# Altium PCB FMC_LOOPBACK_REVA.PcbDoc
Units mm, origin at the board's own origin, x right, y up, seen from the top; angles counter-clockwise.
Board outline 32.8 x 69 mm, 2 copper layers (Component Side, Bottom Layer), stack 1.571 mm thick; 33 components, 143 nets, 456 pads, 68 vias.
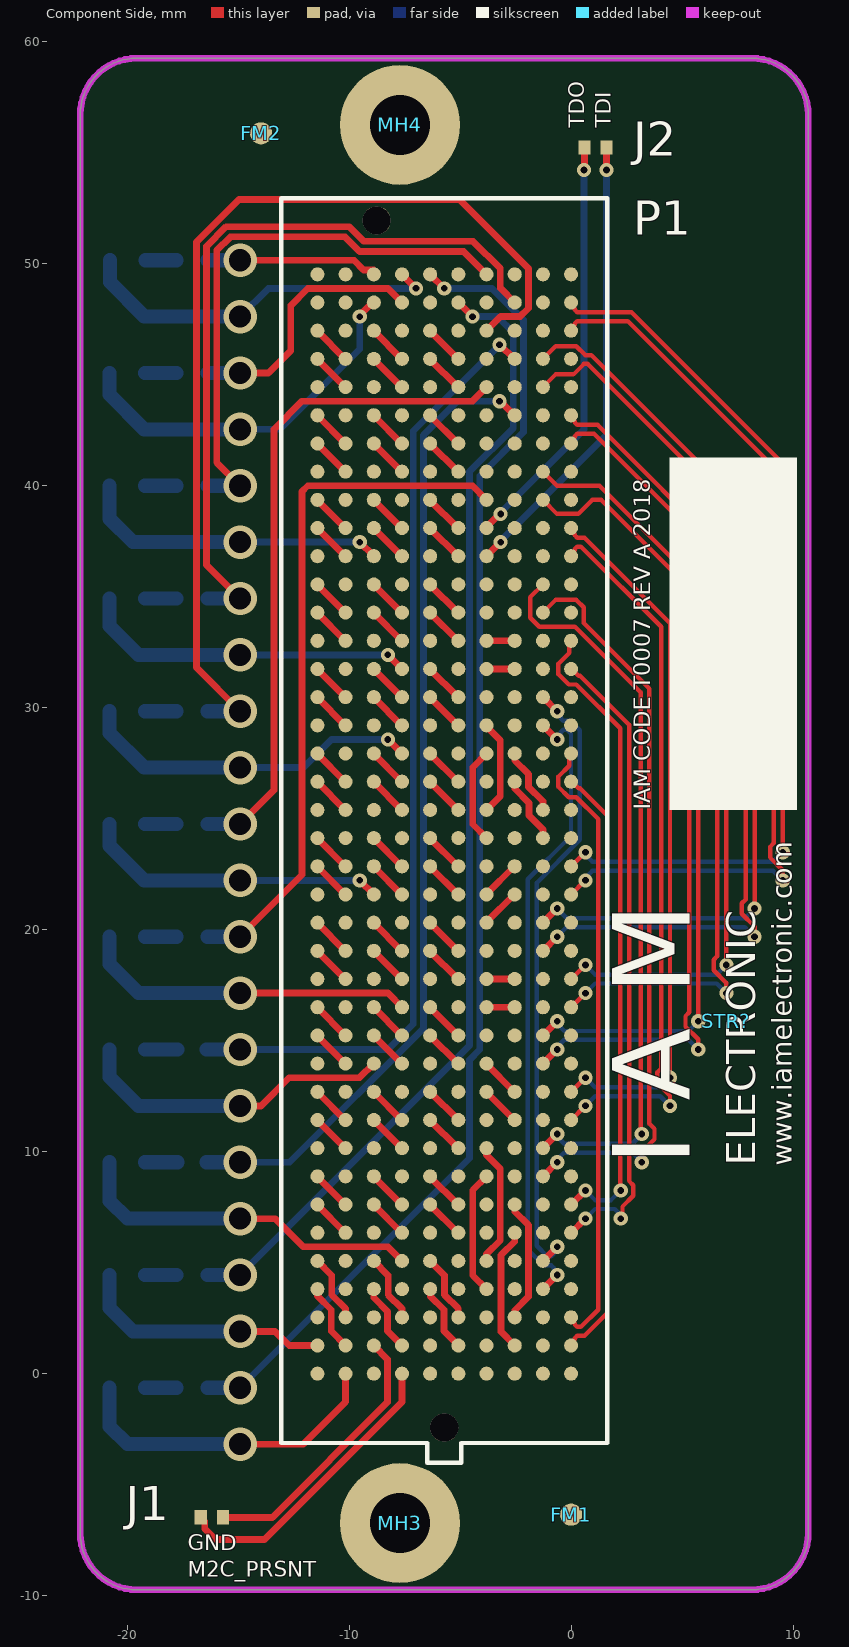
[diagram p0: Component Side view]
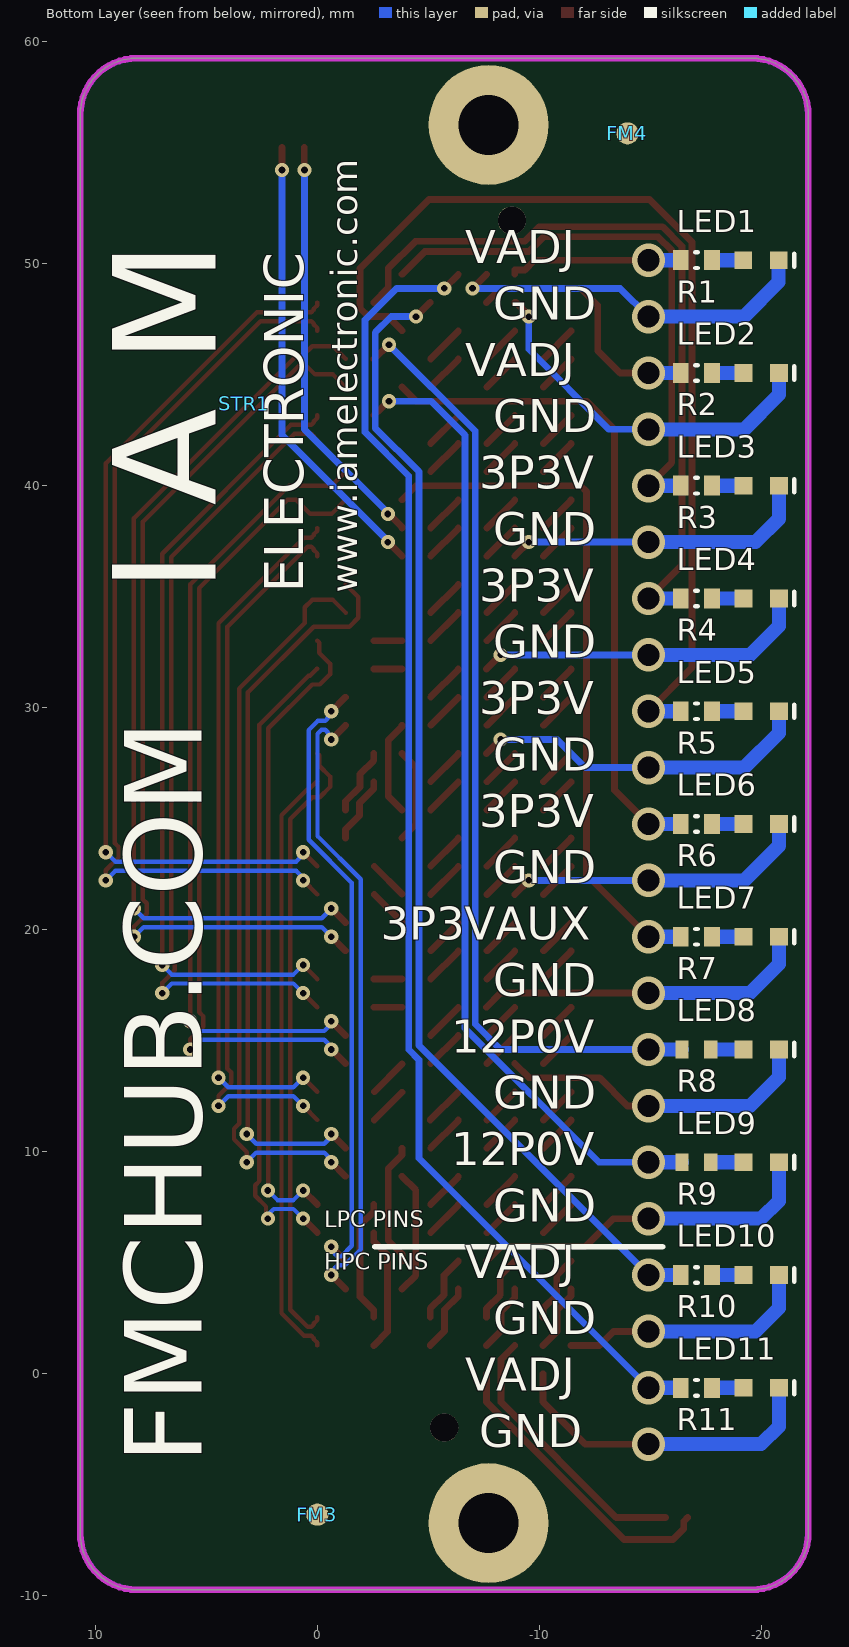
[diagram p1: Bottom Layer view, seen from below]
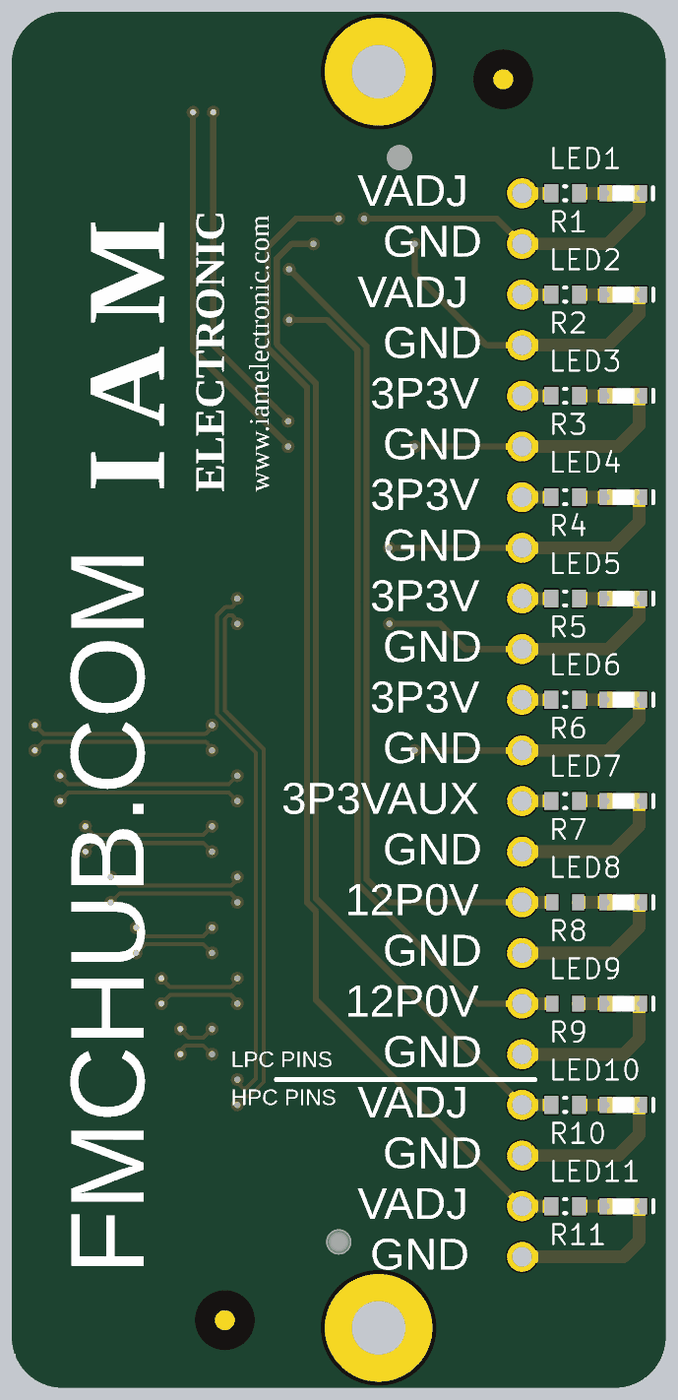
[diagram p2: 3D render of the assembled board from below, using the file's embedded part models]

## Layer stack, top to bottom
Top Solder: solder mask 0.0102, Solder Resist, Dk 3.5
Component Side: signal copper 0.0356
Dielectric 1: core 1.5, FR-4, Dk 4.2
Bottom Layer: signal copper 0.0356
Solder Side: solder mask 0.0102, Solder Resist, Dk 3.5

## Board outline
-22.115,-7.195 ccw(c-19.575,-7.195) -19.575,-9.735 8.145,-9.735 ccw(c8.145,-7.195) 10.685,-7.195 10.685,56.725 ccw(c8.145,56.725) 8.145,59.265 -19.575,59.265 ccw(c-19.575,56.725) -22.115,56.725

## Design rules (kind name [scope] priority, off if disabled: settings)
AcuteAngle [All] p1: minimum=6.00000000000000E+0001 checktracksonly=FALSE
Clearance Clearance_Keepout [All vs OnLayer('Keep-Out Layer')] p1: gap=0.15 ignorepadtopadclearanceinfootprint=FALSE
Clearance [All] p2: gap=0.152 ignorepadtopadclearanceinfootprint=FALSE
DiffPairsRouting [All] p1: maxlimit=10 minlimit=0.2 mostfreqgap=0.2 toplayer_minwidth=0.2 toplayer_maxwidth=10 toplayer_prefwidth=0.381 bottomlayer_minwidth=0.2 bottomlayer_maxwidth=10 bottomlayer_prefwidth=0.381 maxuncoupledlength=12.7
FabricationTestPointUsage FabricationTestPointUsage_1 [All] p1: valid=0 allowmultiple=FALSE
FabricationTestpoint FabricationTestpoint_1 [All] p1: side=3 testpointundercomponent=TRUE minsize=1.016 maxsize=2.54 preferedsize=1.524 minholesize=0 maxholesize=1.016 preferedholesize=0.813 testpointgrid=0.025 allowsidetop=TRUE allowsidebottom=TRUE usegrid=TRUE gridtolerance=0
HoleSize [All] p1: absolutevalues=TRUE maxlimit=6 minlimit=0.3 maxpercent=80.000 minpercent=20.000
HoleSize FabricationTestpoint [All] p2 off: absolutevalues=TRUE maxlimit=2.54 minlimit=0.025 maxpercent=80.000 minpercent=20.000
HoleSize FabricationTestPointUsage [All] p3 off: absolutevalues=TRUE maxlimit=2.54 minlimit=0.025 maxpercent=80.000 minpercent=20.000
HoleToHoleClearance [All] p1: gap=0.3 allowstackedmicrovias=TRUE
MinimumAnnularRing [All] p1: minimumring=0.15
MinimumSolderMaskSliver [All] p1: minsoldermaskwidth=0.05
PlaneClearance [All] p1: clearance=0.4
PlaneConnect [All] p1: planeconnectstyle=Direct reliefexpansion=0.4 reliefentries=4 reliefconductorwidth=0.15 reliefairgap=0.15
PolygonConnect [All] p1: connectstyle=Relief reliefconductorwidth=0.254 reliefentries=4 polygonreliefangle="90 Angle" airgapwidth=0.254
RoutingCorners [All] p1: cornerstyle=Round minsetback=1.5 maxsetback=1.5
RoutingVias [All] p1: holewidth=0.3 width=0.6 viastyle="Through Hole" minholewidth=0.3 minwidth=0.45 maxholewidth=0.45 maxwidth=0.75
SilkToSilkClearance [All] p1: silktosilkclearance=0.127
SilkToSolderMaskClearance [IsPad] p1: minsilkscreentomaskgap=0.1 clearancetoexposedcopper=TRUE
SolderMaskExpansion [All] p1: expansion=0.075
Width [All] p1: maxlimit=0.635 minlimit=0.152 preferedwidth=0.152
19 further rules are at their usual default settings.

## Classes and differential pairs
component class FMC_LOOPBACK_LPC: FM1 FM2 FM3 FM4 J1 J2 LED1 LED2 LED3 LED4 LED5 LED6 LED7 LED8 LED9 LED? MH3 MH4 R1 R2 R3 R4 R5 R6 R7 R8 R9 STR1 STR?
component class FMC_LOOPBACK_HPC: LED10 LED11 P1 R10 R11
differential pair DP0: +DP0_P -DP0_N
differential pair DP1: +DP1_P -DP1_N
differential pair DP2: +DP2_P -DP2_N
differential pair DP3: +DP3_P -DP3_N
differential pair DP4: +DP4_P -DP4_N
differential pair DP5: +DP5_P -DP5_N
differential pair DP6: +DP6_P -DP6_N
differential pair DP7: +DP7_P -DP7_N
differential pair DP8: +DP8_P -DP8_N
differential pair DP9: +DP9_P -DP9_N

## Components (designator, comment, footprint, x,y, rotation, side; value= is the part's Value field where it differs from the comment)
FM1 "1mm" FIDUCIAL_MARK_ROUND 0,-6.35 r0 top
FM2 "1mm" FIDUCIAL_MARK_ROUND -13.97,55.88 r0 top
FM3 "1mm" FIDUCIAL_MARK_ROUND 0,-6.35 r180 bottom
FM4 "1mm" FIDUCIAL_MARK_ROUND -13.97,55.88 r180 bottom
J1 "Jumper 0402" RESC0402(1005)_N -16.182,-6.477 r0 top value="0.00 Ohm"
J2 "Jumper 0402" RESC0402(1005)_N 1.098,55.245 r180 top value="0.00 Ohm"
LED1 "150060GS75000" 0603_A -19.983,50.165 r0 bottom
LED2 "150060GS75000" 0603_A -19.992,45.085 r0 bottom
LED3 "150060GS75000" 0603_A -19.992,40.005 r0 bottom
LED4 "150060GS75000" 0603_A -19.992,34.925 r0 bottom
LED5 "150060GS75000" 0603_A -19.992,29.845 r0 bottom
LED6 "150060GS75000" 0603_A -19.992,24.765 r0 bottom
LED7 "150060GS75000" 0603_A -19.992,19.685 r0 bottom
LED8 "150060GS75000" 0603_A -19.992,14.605 r0 bottom
LED9 "150060GS75000" 0603_A -19.992,9.525 r0 bottom
LED10 "150060GS75000" 0603_A -19.992,4.445 r0 bottom
LED11 "150060GS75000" 0603_A -19.992,-0.635 r0 bottom
MH3 "2.7mm" Mounting_Hole_Plated_2.7mm-COVERED -7.715,-6.735 r0 top
MH4 "2.7mm" Mounting_Hole_Plated_2.7mm-COVERED -7.715,56.265 r0 top
P1 "MC-HPC-10" ASP-134488-01 -5.715,24.765 r270 top
R1 "100R" RESC0603(1608)_L -17.078,50.165 r0 bottom value="100.00 Ohm"
R2 "100R" RESC0603(1608)_L -17.078,45.085 r0 bottom value="100.00 Ohm"
R3 "100R" RESC0603(1608)_L -17.078,40.005 r0 bottom value="100.00 Ohm"
R4 "100R" RESC0603(1608)_L -17.078,34.925 r0 bottom value="100.00 Ohm"
R5 "100R" RESC0603(1608)_L -17.078,29.845 r0 bottom value="100.00 Ohm"
R6 "100R" RESC0603(1608)_L -17.078,24.765 r0 bottom value="100.00 Ohm"
R7 "100R" RESC0603(1608)_L -17.078,19.685 r0 bottom value="100.00 Ohm"
R8 "1.8K" RESC1608X55X25LL10T15 -17.078,14.605 r0 bottom
R9 "1.8K" RESC1608X55X25LL10T15 -17.078,9.525 r0 bottom
R10 "100R" RESC0603(1608)_L -17.078,4.445 r0 bottom value="100.00 Ohm"
R11 "100R" RESC0603(1608)_L -17.078,-0.635 r0 bottom value="100.00 Ohm"
STR1 "IAM LOGO" "IAM LOGO - LARGE - WWW" 3.302,43.688 r90 bottom
STR? "IAM LOGO" "IAM LOGO - MEDIUM - WWW" 6.985,15.875 r90 top

## Footprints (in the part's own frame and the unit in brackets; to place one, negate y for a bottom-side part, rotate by r counter-clockwise, add the part's x,y. Pads: shape width x height; smd on the part's side, far side on the other; paste and mask are expansions set on the pad)
0603_A [mm] "Chip LED, 2-Leads, Body 1.6x0.8mm, IPC Medium Density"
  rect 0.8x0.8 smd: 1(-0.8,0) 2(0.8,0)
  silkscreen extent -1.5,-0.3 -1.5,0.3, body extent -0.8,-0.4 0.8,0.4, height 0.7
ASP-134488-01 [mil] "MC-HPC-10, 1.27mm PITCH TERMINAL ARRAY ASSEMBLY, MALE, VITA 57 CONNECTOR"
  round 25 smd paste+5 mask+2.01: A1(975,225) A2(925,225) A3(875,225) A4(825,225) A5(775,225) A6(725,225) A7(675,225) A8(625,225) A9(575,225) A10(525,225) A11(475,225) A12(425,225) A13(375,225) A14(325,225) A15(275,225) A16(225,225) A17(175,225) A18(125,225) A19(75,225) A20(25,225) A21(-25,225) A22(-75,225) A23(-125,225) A24(-175,225) A25(-225,225) A26(-275,225) A27(-325,225) A28(-375,225) A29(-425,225) A30(-475,225) A31(-525,225) A32(-575,225) A33(-625,225) A34(-675,225) A35(-725,225) A36(-775,225) A37(-825,225) A38(-875,225) A39(-925,225) A40(-975,225) B1(975,175) B2(925,175) B3(875,175) B4(825,175) B5(775,175) B6(725,175) B7(675,175) B8(625,175) B9(575,175) B10(525,175) B11(475,175) B12(425,175) B13(375,175) B14(325,175) B15(275,175) B16(225,175) B17(175,175) B18(125,175) B19(75,175) B20(25,175) B21(-25,175) B22(-75,175) B23(-125,175) B24(-175,175) B25(-225,175) B26(-275,175) B27(-325,175) B28(-375,175) B29(-425,175) B30(-475,175) B31(-525,175) B32(-575,175) B33(-625,175) B34(-675,175) B35(-725,175) B36(-775,175) B37(-825,175) B38(-875,175) B39(-925,175) B40(-975,175) E1(975,25) E2(925,25) E3(875,25) E4(825,25) E5(775,25) E6(725,25) E7(675,25) E8(625,25) E9(575,25) E10(525,25) E11(475,25) E12(425,25) E13(375,25) E14(325,25) E15(275,25) E16(225,25) E17(175,25) E18(125,25) E19(75,25) E20(25,25) E21(-25,25) E22(-75,25) E23(-125,25) E24(-175,25) E25(-225,25) E26(-275,25) E27(-325,25) E28(-375,25) E29(-425,25) E30(-475,25) E31(-525,25) E32(-575,25) E33(-625,25) E34(-675,25) E35(-725,25) E36(-775,25) E37(-825,25) E38(-875,25) E39(-925,25) E40(-975,25) F1(975,-25) F2(925,-25) F3(875,-25) F4(825,-25) F5(775,-25) F6(725,-25) F7(675,-25) F8(625,-25) F9(575,-25) F10(525,-25) F11(475,-25) F12(425,-25) F13(375,-25) F14(325,-25) F15(275,-25) F16(225,-25) F17(175,-25) F18(125,-25) F19(75,-25) F20(25,-25) F21(-25,-25) F22(-75,-25) F23(-125,-25) F24(-175,-25) F25(-225,-25) F26(-275,-25) F27(-325,-25) F28(-375,-25) F29(-425,-25) F30(-475,-25) F31(-525,-25) F32(-575,-25) F33(-625,-25) F34(-675,-25) F35(-725,-25) F36(-775,-25) F37(-825,-25) F38(-875,-25) F39(-925,-25) F40(-975,-25) J1(975,-175) J2(925,-175) J3(875,-175) J4(825,-175) J5(775,-175) J6(725,-175) J7(675,-175) J8(625,-175) J9(575,-175) J10(525,-175) J11(475,-175) J12(425,-175) J13(375,-175) J14(325,-175) J15(275,-175) J16(225,-175) J17(175,-175) J18(125,-175) J19(75,-175) J20(25,-175) J21(-25,-175) J22(-75,-175) J23(-125,-175) J24(-175,-175) J25(-225,-175) J26(-275,-175) J27(-325,-175) J28(-375,-175) J29(-425,-175) J30(-475,-175) J31(-525,-175) J32(-575,-175) J33(-625,-175) J34(-675,-175) J35(-725,-175) J36(-775,-175) J37(-825,-175) J38(-875,-175) J39(-925,-175) J40(-975,-175) K1(975,-225) K2(925,-225) K3(875,-225) K4(825,-225) K5(775,-225) K6(725,-225) K7(675,-225) K8(625,-225) K9(575,-225) K10(525,-225) K11(475,-225) K12(425,-225) K13(375,-225) K14(325,-225) K15(275,-225) K16(225,-225) K17(175,-225) K18(125,-225) K19(75,-225) K20(25,-225) K21(-25,-225) K22(-75,-225) K23(-125,-225) K24(-175,-225) K25(-225,-225) K26(-275,-225) K27(-325,-225) K28(-375,-225) K29(-425,-225) K30(-475,-225) K31(-525,-225) K32(-575,-225) K33(-625,-225) K34(-675,-225) K35(-725,-225) K36(-775,-225) K37(-825,-225) K38(-875,-225) K39(-925,-225) K40(-975,-225)
  round 25 smd paste+5 mask+2: C1(975,125) C2(925,125) C3(875,125) C4(825,125) C5(775,125) C6(725,125) C7(675,125) C8(625,125) C9(575,125) C10(525,125) C11(475,125) C12(425,125) C13(375,125) C14(325,125) C15(275,125) C16(225,125) C17(175,125) C18(125,125) C19(75,125) C20(25,125) C21(-25,125) C22(-75,125) C23(-125,125) C24(-175,125) C25(-225,125) C26(-275,125) C27(-325,125) C28(-375,125) C29(-425,125) C30(-475,125) C31(-525,125) C32(-575,125) C33(-625,125) C34(-675,125) C35(-725,125) C36(-775,125) C37(-825,125) C38(-875,125) C39(-925,125) C40(-975,125) D1(975,75) D2(925,75) D3(875,75) D4(825,75) D5(775,75) D6(725,75) D7(675,75) D8(625,75) D9(575,75) D10(525,75) D11(475,75) D12(425,75) D13(375,75) D14(325,75) D15(275,75) D16(225,75) D17(175,75) D18(125,75) D19(75,75) D20(25,75) D21(-25,75) D22(-75,75) D23(-125,75) D24(-175,75) D25(-225,75) D26(-275,75) D27(-325,75) D28(-375,75) D29(-425,75) D30(-475,75) D31(-525,75) D32(-575,75) D33(-625,75) D34(-675,75) D35(-725,75) D36(-775,75) D37(-825,75) D38(-875,75) D39(-925,75) D40(-975,75) G1(975,-75) G2(925,-75) G3(875,-75) G4(825,-75) G5(775,-75) G6(725,-75) G7(675,-75) G8(625,-75) G9(575,-75) G10(525,-75) G11(475,-75) G12(425,-75) G13(375,-75) G14(325,-75) G15(275,-75) G16(225,-75) G17(175,-75) G18(125,-75) G19(75,-75) G20(25,-75) G21(-25,-75) G22(-75,-75) G23(-125,-75) G24(-175,-75) G25(-225,-75) G26(-275,-75) G27(-325,-75) G28(-375,-75) G29(-425,-75) G30(-475,-75) G31(-525,-75) G32(-575,-75) G33(-625,-75) G34(-675,-75) G35(-725,-75) G36(-775,-75) G37(-825,-75) G38(-875,-75) G39(-925,-75) G40(-975,-75) H1(975,-125) H2(925,-125) H3(875,-125) H4(825,-125) H5(775,-125) H6(725,-125) H7(675,-125) H8(625,-125) H9(575,-125) H10(525,-125) H11(475,-125) H12(425,-125) H13(375,-125) H14(325,-125) H15(275,-125) H16(225,-125) H17(175,-125) H18(125,-125) H19(75,-125) H20(25,-125) H21(-25,-125) H22(-75,-125) H23(-125,-125) H24(-175,-125) H25(-225,-125) H26(-275,-125) H27(-325,-125) H28(-375,-125) H29(-425,-125) H30(-475,-125) H31(-525,-125) H32(-575,-125) H33(-625,-125) H34(-675,-125) H35(-725,-125) H36(-775,-125) H37(-825,-125) H38(-875,-125) H39(-925,-125) H40(-975,-125)
  round 50 hole 50 unplated paste+0 mask+0: MH1(1070.5,0) MH2(-1070.5,-120)
  silkscreen extent -1110,-289 1133,289, body extent -1098,-289 1133,289, height 281
FIDUCIAL_MARK_ROUND [mm] "fiducial mark, round, 1 mm diameter, 3 mm keep-out"
  round 1 smd paste-1 mask+1: FD0(0,0)
"IAM LOGO - LARGE - WWW" [mm] "IAM ELECTRONIC LOGO - 18.5mm x 8.5mm"
"IAM LOGO - MEDIUM - WWW" [mm] "IAM ELECTRONIC LOGO - 14.00mm x 6.75mm"
Mounting_Hole_Plated_2.7mm-COVERED [mm] "Mounting Hole, hole 2.7mm, diameter 5.4mm, Keepout R 2.9mm, plated, covered with solder mask"
  round 5.4 hole 2.7 mask+0.2: 0(0,0)
RESC0402(1005)_N [mm] "Chip Resistor, Body 1.0x0.5mm, IPC Medium Density"
  rect 0.55x0.65 smd: 1(-0.5,0) 2(0.5,0)
  body extent -0.52,-0.27 0.53,0.28, height 0.4
RESC0603(1608)_L [mm] "Chip Resistor, Body 1.6x0.8mm, IPC High Density"
  rect 0.7x0.9 smd: 1(-0.7,0) 2(0.7,0)
  silkscreen extent -0.05,-0.35 0.05,0.35, body extent -0.85,-0.47 0.85,0.47, height 0.6
RESC1608X55X25LL10T15 [mm] "Chip Resistor, 2-Leads, Body 1.60x0.80mm, IPC High Density"
  rect 0.6x0.8 smd: 1(-0.65,0) 2(0.65,0)
  body extent -0.85,-0.45 0.85,0.45, height 0.55

## Part data
FM1 FM2 FM3 FM4: library part Fiducial_Mark, "Fiducial mark, width 1mm, clearance 3mm", Clearance="3 mm", Width="1 mm"
J1 J2: library part CMP-1011-00001-1, "Jumper 0402 (1005 Metric)", Case-EIA=0402, Case-Metric=1005, Power=None, Technology=SMT, Tolerance=None
LED1 LED2 LED3 LED4 LED5 LED6 LED7 LED8 LED9 LED10 LED11: library part CMP-1426-00002-1, "SMD mono-color Chip LED, WL-SMCW, Green", Color=Green, Manufacturer="Wuerth Elektronik", ComponentLink1Description="Manufacturer URL", ComponentLink1URL=http://www.we-online.com, ComponentLink2Description=Datasheet, ComponentLink2URL=http://katalog.we-online.com/led/datasheet/150060GS75000.pdf, PackageReference=0603_A, Part=150060GS75000, PartNumber=150060GS75000
MH3 MH4: library part Mounting_Hole_2.7mm, "Mounting hole, hole size 2.7mm", Hole radius="2.7 mm"
P1: "MC-HPC-10, FMC High-pin count connector, lead free, 400 I/Os, male, 10 mm mated stack height", Manufacturer=Samtec, Manufacturer Ref=SEAM-40-03.5-S-10-2-A-K-TR-VITA57.0, PartName=ASP-134488-01, Supplier Part Number 1=SAM8730-ND, Gender=male, Mated Stack Height="10 mm", Number I/O=400, Part=ASP-134488-01, Pin Count=High, Pitch="1.27 mm", Solder Type=Lead-Free, Supplier 1=Digi-Key, Vita PartNumber=MC-HPC-10
R1 R2 R3 R4 R5 R6 R7 R10 R11: library part CMP-1012-00050-1, "100R 0.1W 5% 0603 (1608 Metric)  SMD", Case-EIA=0603, Case-Metric=1608, Manufacturer=Panasonic, Power="0.1 W", Tolerance="5 %", Part=ERJ-3GEYJ101V, Technology=SMT
R8 R9: library part CMP-2000-06931-1, "1K8 0.1W 5% 0603 (1608 Metric)  SMD", Manufacturer=Yageo, Package Description="2-Pin Surface Mount Device, Body 1.6 x 0.8 mm", Package Reference=0603, Power Rating=100mW, Resistance=1.8kohm, Resistance Tolerance=±1%, Resistor Case Style=0603[1608Metric], Resistor Element Type=ThickFilm, Temperature Coefficient=±100ppm/°C, Voltage Rating=50V, Automotive Qualification Standard=-, Datasheet URL=http://www.yageo.com/documents/recent/PYu-RC_Group_51_RoHS_L_7.pdf, Datasheet Version="Rev. 7, 05/2017", Manufacturer URL=http://www.yageo.com/, Mounting Technology=SurfaceMount, MSL=MSL1-Unlimited, Packaging=CutTape, Part=RC0603JR-071K8L, Product Range=RCSeries, SVHC=ToBeAdvised
STR1 STR?: library part IAM_LOGO, "I A M E L E C T R O N I C - Logo", Manufacturer="IAM ELECTRONIC", Layer="Top Overlay", Part=Logo

## Via types
v1: diameter 0.64, hole 0.3, Component Side to Bottom Layer, tented both sides, 46 vias
v2: diameter 1.5, hole 1, Component Side to Bottom Layer, 22 vias

## Nets (pads, with @x,y where several pads share a name; then routed paths per layer and width w, separated by ;. In a path a pad name is that pad's centre, name@x,y a point inside that pad or via, vN(x,y) a via of type N, cw(c..) or ccw(c..) an arc to the next point about the centre after c; other vN are vias at no path point)
3P3V_1: P1.D36 R6.2 | length 30.2
  Component Side w0.305: v2(-14.912,24.765) -13.388,26.289 -13.388,42.545 -12.118,43.815 -4.445,43.815 P1.D36
  Bottom Layer w0.635: R6.2 v2(-14.912,24.765)
3P3V_2: P1.D38 R5.2 | length 44.6
  Component Side w0.305: v2(-14.912,29.845) -16.882,31.814 -16.882,50.981 -14.967,52.895 -5.025,52.895 -1.918,49.788 -1.918,48.002 -2.295,47.625 -3.175,47.625 P1.D38
  Bottom Layer w0.635: R5.2 v2(-14.912,29.845)
3P3V_3: P1.D40 R3.2 | length 25.6
  Component Side w0.305: v2(-14.912,40.005) -15.967,41.06 -15.967,50.602 -15.349,51.22 -10.187,51.22 -9.526,50.559 -4.839,50.559 P1.D40
  Bottom Layer w0.635: R3.2 v2(-14.912,40.005)
3P3V_4: P1.C39 R4.2 | length 34.1
  Component Side w0.305: v2(-14.912,34.925) -16.424,36.437 -16.424,50.791 -15.539,51.677 -9.998,51.677 -9.337,51.016 -4.416,51.016 -3.188,49.788 -3.188,48.908 P1.C39
  Bottom Layer w0.635: R4.2 v2(-14.912,34.925)
3P3VAUX: P1.D32 R7.2 | length 31.4
  Component Side w0.305: v2(-14.912,19.685) -12.118,22.479 -12.118,39.751 -11.864,40.005 -4.445,40.005 P1.D32
  Bottom Layer w0.635: R7.2 v2(-14.912,19.685)
12P0V_1: P1.C37 R8.2 | length 42.9
  Component Side w0.305: v1(-3.228,46.355) P1.C37
  Bottom Layer w0.305: v2(-14.912,14.605) -8.255,14.605 -7.112,15.748 -7.112,42.472 v1(-3.228,46.355)
  Bottom Layer w0.635: R8.2 v2(-14.912,14.605)
12P0V_2: P1.C35 R9.2 | length 44
  Component Side w0.305: v1(-3.228,43.815) P1.C35
  Bottom Layer w0.305: v2(-14.912,9.525) -12.688,9.525 -6.655,15.559 -6.655,42.282 -5.122,43.815 v1(-3.228,43.815)
  Bottom Layer w0.635: R9.2 v2(-14.912,9.525)
DP0_N: P1.C3 P1.C7 | length 5.6
  Component Side w0.305: P1.C3 -2.54,2.848 -1.918,3.47 -1.918,6.69 -2.54,7.313 P1.C7
DP0_P: P1.C2 P1.C6 | length 5.6
  Component Side w0.305: P1.C2 -3.162,1.892 -3.162,5.338 -2.54,5.96 P1.C6
DP1_N: P1.A3 P1.A23 | length 28
  Component Side w0.2: P1.A3 0,2.422 0.155,2.267 0.155,2.222 0.273,2.105 0.438,2.105 1.217,2.884 1.217,24.989 0.236,25.97 -0.106,25.97 -0.57,26.434 -0.57,26.906 -0.083,27.393 -0.083,27.857 P1.A23
DP1_P: P1.A2 P1.A22 | length 27
  Component Side w0.2: P1.A2 0,1.388 0.155,1.543 0.155,1.588 0.273,1.705 0.604,1.705 1.617,2.718 1.617,25.154 0.402,26.37 0.335,26.37 0.035,26.67 P1.A22
DP2_N: P1.A7 P1.A27 | length 29.2
  Component Side w0.2: P1.A7 P1.A7@0.005,7.62 ; P1.A27 -0.083,32.937 -0.083,32.473 -0.57,31.986 -0.57,31.514 -0.106,31.05 0.236,31.05 2.213,29.073 2.213,8.282 2.24,8.255 v1(2.233,8.255) ; v1@0.64,8.255 v1(0.645,8.255)
  Component Side w0.305: P1.A7@0.005,7.62 v1@0.64,8.255
  Bottom Layer w0.2: v1(0.645,8.255) 1.08,7.82 1.798,7.82 v1(2.233,8.255)
DP2_P: P1.A6 P1.A26 | length 29.2
  Component Side w0.2: P1.A6 P1.A6@0.005,6.35 ; P1.A26 0.035,31.75 0.335,31.45 0.402,31.45 2.613,29.239 2.613,8.684 2.805,8.492 2.805,8.018 2.317,7.53 2.317,7.069 v1(2.233,6.985) ; v1@0.64,6.985 v1(0.645,6.985)
  Component Side w0.305: P1.A6@0.005,6.35 v1@0.64,6.985
  Bottom Layer w0.2: v1(0.645,6.985) 1.08,7.42 1.963,7.42 2.233,7.151 v1(2.233,6.985)
DP3_N: P1.A11 P1.A31 | length 31.9
  Component Side w0.2: P1.A11 0.005,12.7 0.64,13.335 v1(0.645,13.335) ; P1.A31 0,37.982 0.155,37.827 0.155,37.782 0.273,37.665 0.604,37.665 4.455,33.814 v1(4.455,13.335)
  Bottom Layer w0.2: v1(0.645,13.335) 1.08,12.9 4.02,12.9 v1(4.455,13.335)
DP3_P: P1.A10 P1.A30 | length 32.8
  Component Side w0.2: P1.A10 0.005,11.43 0.64,12.065 v1(0.645,12.065) ; P1.A30 0,36.948 0.155,37.103 0.155,37.148 0.273,37.265 0.438,37.265 4.055,33.648 4.055,13.745 3.883,13.572 3.883,13.098 4.455,12.526 v1(4.455,12.065)
  Bottom Layer w0.2: v1(0.645,12.065) 1.08,12.5 4.02,12.5 v1(4.455,12.065)
DP4_N: P1.A15 P1.A35 | length 35.8
  Component Side w0.2: P1.A15 0.005,17.78 0.64,18.415 v1(0.645,18.415) ; P1.A35 0,43.062 0.155,42.907 0.155,42.862 0.273,42.745 1.197,42.745 6.995,36.947 v1(6.995,18.415)
  Bottom Layer w0.2: v1(0.645,18.415) 1.08,17.98 6.56,17.98 v1(6.995,18.415)
DP4_P: P1.A14 P1.A34 | length 36.7
  Component Side w0.2: P1.A14 0.005,16.51 0.64,17.145 v1(0.645,17.145) ; P1.A34 0,42.028 0.155,42.183 0.155,42.228 0.273,42.345 1.031,42.345 6.585,36.791 6.585,18.815 6.423,18.652 6.423,18.178 6.995,17.606 v1(6.995,17.145)
  Bottom Layer w0.2: v1(0.645,17.145) 1.08,17.58 6.56,17.58 v1(6.995,17.145)
DP5_N: P1.A19 P1.A39 | length 40.4
  Component Side w0.2: P1.A19 0.005,22.86 0.64,23.495 v1(0.645,23.495) ; P1.A39 0,48.142 0.155,47.987 0.155,47.942 0.273,47.825 2.721,47.825 9.535,41.011 v1(9.535,23.495)
  Bottom Layer w0.2: v1(0.645,23.495) 0.645,23.378 0.963,23.06 9.1,23.06 v1(9.535,23.495)